# KiCad board SparkFun_BMV080_panelized.kicad_pcb (continued)
## Routing (per net, layer and track width the routed paths; a pad name or vN(x,y) marks a point on that pad's centre or on a via; arc(x,y) is an arc through that point) (continued)
AB1: length 1495.3
  Top w0.203: U1#7.4 83.52,69.44 84.15,68.81 84.15,66.24 84.5,65.88 84.59,65.88 84.9,65.58 87.84,65.58 88.33,65.09 v1(88.33,63.83) ; v1(94.05,49.27) 94.31,49.27 94.73,49.69 96.05,49.69 v1(96.51,49.23) ; v1(22.62,88.83) 22.16,89.29 20.84,89.29 20.42,88.87 v1(20.16,88.87) ; U1#37.4 9.63,109.04 10.26,108.41 10.26,105.84 10.61,105.48 10.7,105.48 11.01,105.18 13.95,105.18 14.44,104.69 v1(14.44,103.43) ; v1(44.79,75.67) 45.05,75.67 45.47,76.09 46.79,76.09 v1(47.25,75.63) ; U1#31.4 9.63,69.44 10.26,68.81 10.26,66.24 10.61,65.88 10.7,65.88 11.01,65.58 13.95,65.58 14.44,65.09 v1(14.44,63.83) ; U1#4.4 83.52,29.84 84.15,29.21 84.15,26.64 84.5,26.28 84.59,26.28 84.9,25.98 87.84,25.98 88.33,25.49 v1(88.33,24.23) ; v1(47.25,62.43) 46.79,62.89 45.47,62.89 45.05,62.47 v1(44.79,62.47) ; U1#6.4 83.52,82.64 84.15,82.01 84.15,79.44 84.5,79.08 84.59,79.08 84.9,78.78 87.84,78.78 88.33,78.29 v1(88.33,77.03) ; v1(137.59,50.63) 137.59,51.89 137.1,52.38 134.16,52.38 133.85,52.68 133.76,52.68 133.41,53.04 133.41,55.61 132.78,56.24 U1#24.4 ; U1#29.4 9.63,43.04 10.26,42.41 10.26,39.84 10.61,39.48 10.7,39.48 11.01,39.18 13.95,39.18 14.44,38.69 v1(14.44,37.43) ; v1(88.33,103.43) 88.33,104.69 87.84,105.18 84.9,105.18 84.59,105.48 84.5,105.48 84.15,105.84 84.15,108.41 83.52,109.04 U1#10.4 ; U1#19.4 108.15,122.24 108.78,121.61 108.78,119.04 109.13,118.68 109.22,118.68 109.53,118.38 112.47,118.38 112.96,117.89 v1(112.96,116.63) ; v1(118.68,36.07) 118.94,36.07 119.36,36.49 120.68,36.49 v1(121.14,36.03) ; v1(112.96,11.03) 112.96,12.29 112.47,12.78 109.53,12.78 109.22,13.08 109.13,13.08 108.78,13.44 108.78,16.01 108.15,16.64 U1#12.4 ; v1(112.96,50.63) 112.96,51.89 112.47,52.38 109.53,52.38 109.22,52.68 109.13,52.68 108.78,53.04 108.78,55.61 108.15,56.24 U1#13.4 ; v1(39.07,116.63) 39.07,117.89 38.58,118.38 35.64,118.38 35.33,118.68 35.24,118.68 34.89,119.04 34.89,121.61 34.26,122.24 U1#51.4 ; U1#28.4 132.78,82.64 133.41,82.01 133.41,79.44 133.76,79.08 133.85,79.08 134.16,78.78 137.1,78.78 137.59,78.29 v1(137.59,77.03) ; v1(14.44,77.03) 14.44,78.29 13.95,78.78 11.01,78.78 10.7,79.08 10.61,79.08 10.26,79.44 10.26,82.01 9.63,82.64 U1#32.4 ; U1#23.4 132.78,43.04 133.41,42.41 133.41,39.84 133.76,39.48 133.85,39.48 134.16,39.18 137.1,39.18 137.59,38.69 v1(137.59,37.43) ; v1(22.62,115.23) 22.16,115.69 20.84,115.69 20.42,115.27 v1(20.16,115.27) ; v1(145.77,102.03) 145.31,102.49 143.99,102.49 143.57,102.07 v1(143.31,102.07) ; v1(137.59,11.03) 137.59,12.29 137.1,12.78 134.16,12.78 133.85,13.08 133.76,13.08 133.41,13.44 133.41,16.01 132.78,16.64 U1#25.4 ; v1(69.42,49.27) 69.68,49.27 70.1,49.69 71.42,49.69 v1(71.88,49.23) ; v1(63.7,63.83) 63.7,65.09 63.21,65.58 60.27,65.58 59.96,65.88 59.87,65.88 59.52,66.24 59.52,68.81 58.89,69.44 58.55,69.44 ; U1#47.4 9.63,122.24 10.26,121.61 10.26,119.04 10.61,118.68 10.7,118.68 11.01,118.38 13.95,118.38 14.44,117.89 v1(14.44,116.63) ; v1(69.42,88.87) 69.68,88.87 70.1,89.29 71.42,89.29 v1(71.88,88.83) ; v1(39.07,63.83) 39.07,65.09 38.58,65.58 35.64,65.58 35.33,65.88 35.24,65.88 34.89,66.24 34.89,68.81 34.26,69.44 U1#48.4 ; v1(121.14,75.63) 120.68,76.09 119.36,76.09 118.94,75.67 v1(118.68,75.67) ; v1(112.96,24.23) 112.96,25.49 112.47,25.98 109.53,25.98 109.22,26.28 109.13,26.28 108.78,26.64 108.78,29.21 108.15,29.84 U1#2.4 ; v1(69.42,36.07) 69.68,36.07 70.1,36.49 71.42,36.49 v1(71.88,36.03) ; U1#35.4 34.26,16.64 34.89,16.01 34.89,13.44 35.24,13.08 35.33,13.08 35.64,12.78 38.58,12.78 39.07,12.29 v1(39.07,11.03) ; 58.55,82.64 58.89,82.64 59.52,82.01 59.52,79.44 59.87,79.08 59.96,79.08 60.27,78.78 63.21,78.78 63.7,78.29 v1(63.7,77.03) ; v1(118.68,102.07) 118.94,102.07 119.36,102.49 120.68,102.49 v1(121.14,102.03) ; v1(121.14,115.23) 120.68,115.69 119.36,115.69 118.94,115.27 v1(118.68,115.27) ; v1(88.33,37.43) 88.33,38.69 87.84,39.18 84.9,39.18 84.59,39.48 84.5,39.48 84.15,39.84 84.15,42.41 83.52,43.04 U1#16.4 ; v1(143.31,22.87) 143.57,22.87 143.99,23.29 145.31,23.29 v1(145.77,22.83) ; v1(44.79,36.07) 45.05,36.07 45.47,36.49 46.79,36.49 v1(47.25,36.03) ; U1#33.4 9.63,95.84 10.26,95.21 10.26,92.64 10.61,92.28 10.7,92.28 11.01,91.98 13.95,91.98 14.44,91.49 v1(14.44,90.23) ; v1(94.05,102.07) 94.31,102.07 94.73,102.49 96.05,102.49 v1(96.51,102.03) ; v1(121.14,62.43) 120.68,62.89 119.36,62.89 118.94,62.47 v1(118.68,62.47) ; 58.55,29.84 58.89,29.84 59.52,29.21 59.52,26.64 59.87,26.28 59.96,26.28 60.27,25.98 63.21,25.98 63.7,25.49 v1(63.7,24.23) ; v1(143.31,88.87) 143.57,88.87 143.99,89.29 145.31,89.29 v1(145.77,88.83) ; 58.55,16.64 58.89,16.64 59.52,16.01 59.52,13.44 59.87,13.08 59.96,13.08 60.27,12.78 63.21,12.78 63.7,12.29 v1(63.7,11.03) ; U1#15.4 108.15,82.64 108.78,82.01 108.78,79.44 109.13,79.08 109.22,79.08 109.53,78.78 112.47,78.78 112.96,78.29 v1(112.96,77.03) ; v1(44.79,88.87) 45.05,88.87 45.47,89.29 46.79,89.29 v1(47.25,88.83) ; v1(14.44,24.23) 14.44,25.49 13.95,25.98 11.01,25.98 10.7,26.28 10.61,26.28 10.26,26.64 10.26,29.21 9.63,29.84 U1#34.4 ; v1(22.62,9.63) 22.16,10.09 20.84,10.09 20.42,9.67 v1(20.16,9.67) ; 58.55,95.84 58.89,95.84 59.52,95.21 59.52,92.64 59.87,92.28 59.96,92.28 60.27,91.98 63.21,91.98 63.7,91.49 v1(63.7,90.23) ; v1(143.31,115.27) 143.57,115.27 143.99,115.69 145.31,115.69 v1(145.77,115.23) ; v1(39.07,50.63) 39.07,51.89 38.58,52.38 35.64,52.38 35.33,52.68 35.24,52.68 34.89,53.04 34.89,55.61 34.26,56.24 U1#44.4 ; v1(22.62,49.23) 22.16,49.69 20.84,49.69 20.42,49.27 v1(20.16,49.27) ; v1(145.77,62.43) 145.31,62.89 143.99,62.89 143.57,62.47 v1(143.31,62.47) ; v1(39.07,77.03) 39.07,78.29 38.58,78.78 35.64,78.78 35.33,79.08 35.24,79.08 34.89,79.44 34.89,82.01 34.26,82.64 U1#49.4 ; v1(20.16,62.47) 20.42,62.47 20.84,62.89 22.16,62.89 v1(22.62,62.43) ; v1(14.44,11.03) 14.44,12.29 13.95,12.78 11.01,12.78 10.7,13.08 10.61,13.08 10.26,13.44 10.26,16.01 9.63,16.64 U1#54.4 ; 58.55,122.24 58.89,122.24 59.52,121.61 59.52,119.04 59.87,118.68 59.96,118.68 60.27,118.38 63.21,118.38 63.7,117.89 v1(63.7,116.63) ; v1(44.79,115.27) 45.05,115.27 45.47,115.69 46.79,115.69 v1(47.25,115.23) ; v1(69.42,62.47) 69.68,62.47 70.1,62.89 71.42,62.89 v1(71.88,62.43) ; v1(63.7,103.43) 63.7,104.69 63.21,105.18 60.27,105.18 59.96,105.48 59.87,105.48 59.52,105.84 59.52,108.41 58.89,109.04 58.55,109.04 ; v1(137.59,90.23) 137.59,91.49 137.1,91.98 134.16,91.98 133.85,92.28 133.76,92.28 133.41,92.64 133.41,95.21 132.78,95.84 U1#27.4 ; v1(118.68,9.67) 118.94,9.67 119.36,10.09 120.68,10.09 v1(121.14,9.63) ; v1(47.25,22.83) 46.79,23.29 45.47,23.29 45.05,22.87 v1(44.79,22.87) ; v1(69.42,115.27) 69.68,115.27 70.1,115.69 71.42,115.69 v1(71.88,115.23) ; U1#46.4 34.26,43.04 34.89,42.41 34.89,39.84 35.24,39.48 35.33,39.48 35.64,39.18 38.58,39.18 39.07,38.69 v1(39.07,37.43) ; v1(44.79,9.67) 45.05,9.67 45.47,10.09 46.79,10.09 v1(47.25,9.63) ; v1(20.16,22.87) 20.42,22.87 20.84,23.29 22.16,23.29 v1(22.62,22.83) ; U1#9.4 83.52,16.64 84.15,16.01 84.15,13.44 84.5,13.08 84.59,13.08 84.9,12.78 87.84,12.78 88.33,12.29 v1(88.33,11.03) ; v1(121.14,88.83) 120.68,89.29 119.36,89.29 118.94,88.87 v1(118.68,88.87) ; v1(112.96,37.43) 112.96,38.69 112.47,39.18 109.53,39.18 109.22,39.48 109.13,39.48 108.78,39.84 108.78,42.41 108.15,43.04 U1#18.4 ; U1#21.4 132.78,109.04 133.41,108.41 133.41,105.84 133.76,105.48 133.85,105.48 134.16,105.18 137.1,105.18 137.59,104.69 v1(137.59,103.43) ; v1(39.07,103.43) 39.07,104.69 38.58,105.18 35.64,105.18 35.33,105.48 35.24,105.48 34.89,105.84 34.89,108.41 34.26,109.04 U1#53.4 ; v1(145.77,75.63) 145.31,76.09 143.99,76.09 143.57,75.67 v1(143.31,75.67) ; v1(47.25,102.03) 46.79,102.49 45.47,102.49 45.05,102.07 v1(44.79,102.07) ; v1(71.88,75.63) 71.42,76.09 70.1,76.09 69.68,75.67 v1(69.42,75.67) ; v1(137.59,116.63) 137.59,117.89 137.1,118.38 134.16,118.38 133.85,118.68 133.76,118.68 133.41,119.04 133.41,121.61 132.78,122.24 U1#20.4 ; U1#14.4 108.15,69.44 108.78,68.81 108.78,66.24 109.13,65.88 109.22,65.88 109.53,65.58 112.47,65.58 112.96,65.09 v1(112.96,63.83) ; v1(71.88,9.63) 71.42,10.09 70.1,10.09 69.68,9.67 v1(69.42,9.67) ; v1(112.96,103.43) 112.96,104.69 112.47,105.18 109.53,105.18 109.22,105.48 109.13,105.48 108.78,105.84 108.78,108.41 108.15,109.04 U1.4 ; U1#36.4 34.26,29.84 34.89,29.21 34.89,26.64 35.24,26.28 35.33,26.28 35.64,25.98 38.58,25.98 39.07,25.49 v1(39.07,24.23) ; U1#17.4 83.52,95.84 84.15,95.21 84.15,92.64 84.5,92.28 84.59,92.28 84.9,91.98 87.84,91.98 88.33,91.49 v1(88.33,90.23) ; v1(71.88,102.03) 71.42,102.49 70.1,102.49 69.68,102.07 v1(69.42,102.07) ; v1(94.05,36.07) 94.31,36.07 94.73,36.49 96.05,36.49 v1(96.51,36.03) ; v1(94.05,88.87) 94.31,88.87 94.73,89.29 96.05,89.29 v1(96.51,88.83) ; 58.55,56.24 58.89,56.24 59.52,55.61 59.52,53.04 59.87,52.68 59.96,52.68 60.27,52.38 63.21,52.38 63.7,51.89 v1(63.7,50.63) ; v1(94.05,9.67) 94.31,9.67 94.73,10.09 96.05,10.09 v1(96.51,9.63) ; v1(94.05,115.27) 94.31,115.27 94.73,115.69 96.05,115.69 v1(96.51,115.23) ; v1(137.59,24.23) 137.59,25.49 137.1,25.98 134.16,25.98 133.85,26.28 133.76,26.28 133.41,26.64 133.41,29.21 132.78,29.84 U1#26.4 ; v1(96.51,22.83) 96.05,23.29 94.73,23.29 94.31,22.87 v1(94.05,22.87) ; v1(137.59,63.83) 137.59,65.09 137.1,65.58 134.16,65.58 133.85,65.88 133.76,65.88 133.41,66.24 133.41,68.81 132.78,69.44 U1#22.4 ; v1(22.62,36.03) 22.16,36.49 20.84,36.49 20.42,36.07 v1(20.16,36.07) ; v1(118.68,49.27) 118.94,49.27 119.36,49.69 120.68,49.69 v1(121.14,49.23) ; v1(39.07,90.23) 39.07,91.49 38.58,91.98 35.64,91.98 35.33,92.28 35.24,92.28 34.89,92.64 34.89,95.21 34.26,95.84 U1#50.4 ; v1(143.31,49.27) 143.57,49.27 143.99,49.69 145.31,49.69 v1(145.77,49.23) ; U1#5.4 83.52,56.24 84.15,55.61 84.15,53.04 84.5,52.68 84.59,52.68 84.9,52.38 87.84,52.38 88.33,51.89 v1(88.33,50.63) ; v1(143.31,9.67) 143.57,9.67 143.99,10.09 145.31,10.09 v1(145.77,9.63) ; v1(20.16,102.07) 20.42,102.07 20.84,102.49 22.16,102.49 v1(22.62,102.03) ; v1(22.62,75.63) 22.16,76.09 20.84,76.09 20.42,75.67 v1(20.16,75.67) ; v1(47.25,49.23) 46.79,49.69 45.47,49.69 45.05,49.27 v1(44.79,49.27) ; v1(71.88,22.83) 71.42,23.29 70.1,23.29 69.68,22.87 v1(69.42,22.87) ; v1(96.51,75.63) 96.05,76.09 94.73,76.09 94.31,75.67 v1(94.05,75.67) ; v1(63.7,37.43) 63.7,38.69 63.21,39.18 60.27,39.18 59.96,39.48 59.87,39.48 59.52,39.84 59.52,42.41 58.89,43.04 58.55,43.04 ; U1#30.4 9.63,56.24 10.26,55.61 10.26,53.04 10.61,52.68 10.7,52.68 11.01,52.38 13.95,52.38 14.44,51.89 v1(14.44,50.63) ; U1#11.4 83.52,122.24 84.15,121.61 84.15,119.04 84.5,118.68 84.59,118.68 84.9,118.38 87.84,118.38 88.33,117.89 v1(88.33,116.63) ; v1(96.51,62.43) 96.05,62.89 94.73,62.89 94.31,62.47 v1(94.05,62.47) ; v1(118.68,22.87) 118.94,22.87 119.36,23.29 120.68,23.29 v1(121.14,22.83) ; v1(112.96,90.23) 112.96,91.49 112.47,91.98 109.53,91.98 109.22,92.28 109.13,92.28 108.78,92.64 108.78,95.21 108.15,95.84 U1#3.4 ; v1(145.77,36.03) 145.31,36.49 143.99,36.49 143.57,36.07 v1(143.31,36.07)
  Bottom w0.203: JP3#11.2 77.73,10.69 J2#21.7 74.49,10.06 72.31,10.06 v1(71.88,9.63) ; v1(145.77,36.03) 146.2,36.46 148.38,36.46 J2#41.7 151.62,37.09 JP3#45.2 ; v1(44.79,102.07) 44.68,102.07 43.41,103.34 40.09,103.34 40.06,103.37 39.14,103.37 v1(39.07,103.43) ; JP3#42.2 102.36,116.29 J2#36.7 99.12,115.66 96.94,115.66 v1(96.51,115.23) ; v1(94.05,49.27) 93.94,49.27 92.67,50.54 89.35,50.54 89.32,50.57 88.4,50.57 v1(88.33,50.63) ; v1(112.96,116.63) 113.03,116.57 113.95,116.57 113.98,116.54 117.3,116.54 118.57,115.27 v1(118.68,115.27) ; v1(14.44,116.63) 14.51,116.57 15.43,116.57 15.46,116.54 18.78,116.54 20.05,115.27 v1(20.16,115.27) ; v1(20.16,22.87) 20.05,22.87 18.78,24.14 15.46,24.14 15.43,24.17 14.51,24.17 v1(14.44,24.23) ; v1(20.16,62.47) 20.05,62.47 18.78,63.74 15.46,63.74 15.43,63.77 14.51,63.77 v1(14.44,63.83) ; v1(121.14,22.83) 121.57,23.26 123.75,23.26 125.05,21.95 126.99,23.89 JP3#40.2 ; JP3#25.2 53.1,37.09 J2#3.7 49.86,36.46 47.68,36.46 v1(47.25,36.03) ; v1(71.88,36.03) 72.31,36.46 74.49,36.46 J2#33.7 77.73,37.09 JP3#20.2 ; v1(112.96,11.03) 113.03,10.97 113.95,10.97 113.98,10.94 117.3,10.94 118.57,9.67 v1(118.68,9.67) ; v1(112.96,63.83) 113.03,63.77 113.95,63.77 113.98,63.74 117.3,63.74 118.57,62.47 v1(118.68,62.47) ; v1(20.16,102.07) 20.05,102.07 18.78,103.34 15.46,103.34 15.43,103.37 14.51,103.37 v1(14.44,103.43) ; v1(137.59,77.03) 137.66,76.97 138.58,76.97 138.61,76.94 141.93,76.94 143.2,75.67 v1(143.31,75.67) ; JP3#18.2 53.1,76.69 J2#5.7 49.86,76.06 47.68,76.06 v1(47.25,75.63) ; v1(96.51,75.63) 96.94,76.06 99.12,76.06 J2#29.7 102.36,76.69 JP3#16.2 ; v1(88.33,24.23) 88.4,24.17 89.32,24.17 89.35,24.14 92.67,24.14 93.94,22.87 v1(94.05,22.87) ; JP3#53.2 151.62,10.69 J2#39.7 148.38,10.06 146.2,10.06 v1(145.77,9.63) ; v1(39.07,77.03) 39.14,76.97 40.06,76.97 40.09,76.94 43.41,76.94 44.68,75.67 v1(44.79,75.67) ; v1(96.51,36.03) 96.94,36.46 99.12,36.46 J2#32.7 102.36,37.09 JP3#33.2 ; v1(63.7,24.23) 63.77,24.17 64.69,24.17 64.72,24.14 68.04,24.14 69.31,22.87 v1(69.42,22.87) ; v1(88.33,77.03) 88.4,76.97 89.32,76.97 89.35,76.94 92.67,76.94 93.94,75.67 v1(94.05,75.67) ; v1(96.51,88.83) 96.94,89.26 99.12,89.26 J2#34.7 102.36,89.89 JP3#34.2 ; v1(14.44,50.63) 14.51,50.57 15.43,50.57 15.46,50.54 18.78,50.54 20.05,49.27 v1(20.16,49.27) ; v1(118.68,22.87) 118.57,22.87 117.3,24.14 113.98,24.14 113.95,24.17 113.03,24.17 v1(112.96,24.23) ; JP3#17.2 53.1,10.69 J2#2.7 49.86,10.06 47.68,10.06 v1(47.25,9.63) ; v1(94.05,115.27) 93.94,115.27 92.67,116.54 89.35,116.54 89.32,116.57 88.4,116.57 v1(88.33,116.63) ; JP3#46.2 151.62,50.29 J2#47.7 148.38,49.66 146.2,49.66 v1(145.77,49.23) ; JP3#39.2 126.99,10.69 125.05,8.75 123.75,10.06 121.57,10.06 v1(121.14,9.63) ; v1(69.42,88.87) 69.31,88.87 68.04,90.14 64.72,90.14 64.69,90.17 63.77,90.17 v1(63.7,90.23) ; v1(39.07,50.63) 39.14,50.57 40.06,50.57 40.09,50.54 43.41,50.54 44.68,49.27 v1(44.79,49.27) ; v1(63.7,77.03) 63.77,76.97 64.69,76.97 64.72,76.94 68.04,76.94 69.31,75.67 v1(69.42,75.67) ; JP3#5.2 28.47,76.69 J2#6.7 25.23,76.06 23.05,76.06 v1(22.62,75.63) ; v1(88.33,37.43) 88.4,37.37 89.32,37.37 89.35,37.34 92.67,37.34 93.94,36.07 v1(94.05,36.07) ; JP3#26.2 53.1,103.09 J2#19.7 49.86,102.46 47.68,102.46 v1(47.25,102.03) ; JP3#32.2 102.36,50.29 J2#28.7 99.12,49.66 96.94,49.66 v1(96.51,49.23) ; v1(63.7,103.43) 63.77,103.37 64.69,103.37 64.72,103.34 68.04,103.34 69.31,102.07 v1(69.42,102.07) ; v1(22.62,88.83) 23.05,89.26 25.23,89.26 J2#9.7 28.47,89.89 JP3#2.2 ; v1(69.42,9.67) 69.31,9.67 68.04,10.94 64.72,10.94 64.69,10.97 63.77,10.97 v1(63.7,11.03) ; v1(44.79,22.87) 44.68,22.87 43.41,24.14 40.09,24.14 40.06,24.17 39.14,24.17 v1(39.07,24.23) ; JP3#35.2 102.36,103.09 J2#35.7 99.12,102.46 96.94,102.46 v1(96.51,102.03) ; v1(14.44,90.23) 14.51,90.17 15.43,90.17 15.46,90.14 18.78,90.14 20.05,88.87 v1(20.16,88.87) ; v1(143.31,62.47) 143.2,62.47 141.93,63.74 138.61,63.74 138.58,63.77 137.66,63.77 v1(137.59,63.83) ; JP3#38.2 126.99,63.49 125.05,61.55 123.75,62.86 121.57,62.86 v1(121.14,62.43) ; v1(71.88,49.23) 72.31,49.66 74.49,49.66 J2#16.7 77.73,50.29 JP3#15.2 ; JP3#49.2 126.99,89.89 125.05,87.95 123.75,89.26 121.57,89.26 v1(121.14,88.83) ; JP3#6.2 28.47,63.49 J2#4.7 25.23,62.86 23.05,62.86 v1(22.62,62.43) ; v1(121.14,49.23) 121.57,49.66 123.75,49.66 125.05,48.35 126.99,50.29 JP3#37.2 ; JP3#41.2 126.99,76.69 125.05,74.75 123.75,76.06 121.57,76.06 v1(121.14,75.63) ; v1(88.33,103.43) 88.4,103.37 89.32,103.37 89.35,103.34 92.67,103.34 93.94,102.07 v1(94.05,102.07) ; JP3#44.2 126.99,103.09 125.05,101.16 123.75,102.46 121.57,102.46 v1(121.14,102.03) ; v1(63.7,50.63) 63.77,50.57 64.69,50.57 64.72,50.54 68.04,50.54 69.31,49.27 v1(69.42,49.27) ; v1(145.77,75.63) 146.2,76.06 148.38,76.06 J2#48.7 151.62,76.69 JP3#47.2 ; JP3#8.2 28.47,50.29 J2#10.7 25.23,49.66 23.05,49.66 v1(22.62,49.23) ; v1(145.77,115.23) 146.2,115.66 148.38,115.66 J2#53.7 151.62,116.29 JP3#43.2 ; JP3#36.2 126.99,37.09 125.05,35.16 123.75,36.46 121.57,36.46 v1(121.14,36.03) ; JP3#29.2 102.36,10.69 J2#25.7 99.12,10.06 96.94,10.06 v1(96.51,9.63) ; JP3#7.2 28.47,37.09 J2#7.7 25.23,36.46 23.05,36.46 v1(22.62,36.03) ; v1(118.68,36.07) 118.57,36.07 117.3,37.34 113.98,37.34 113.95,37.37 113.03,37.37 v1(112.96,37.43) ; v1(63.7,63.83) 63.77,63.77 64.69,63.77 64.72,63.74 68.04,63.74 69.31,62.47 v1(69.42,62.47) ; v1(39.07,11.03) 39.14,10.97 40.06,10.97 40.09,10.94 43.41,10.94 44.68,9.67 v1(44.79,9.67) ; v1(20.16,75.67) 20.05,75.67 18.78,76.94 15.46,76.94 15.43,76.97 14.51,76.97 v1(14.44,77.03) ; v1(63.7,116.63) 63.77,116.57 64.69,116.57 64.72,116.54 68.04,116.54 69.31,115.27 v1(69.42,115.27) ; JP3#54.2 126.99,116.29 125.05,114.36 123.75,115.66 121.57,115.66 v1(121.14,115.23) ; v1(143.31,102.07) 143.2,102.07 141.93,103.34 138.61,103.34 138.58,103.37 137.66,103.37 v1(137.59,103.43) ; v1(94.05,88.87) 93.94,88.87 92.67,90.14 89.35,90.14 89.32,90.17 88.4,90.17 v1(88.33,90.23) ; JP3#24.2 77.73,89.89 J2#26.7 74.49,89.26 72.31,89.26 v1(71.88,88.83) ; v1(22.62,9.63) 23.05,10.06 25.23,10.06 J2.7 28.47,10.69 JP3.2 ; v1(145.77,102.03) 146.2,102.46 148.38,102.46 J2#51.7 151.62,103.09 JP3#52.2 ; v1(118.68,102.07) 118.57,102.07 117.3,103.34 113.98,103.34 113.95,103.37 113.03,103.37 v1(112.96,103.43) ; JP3#12.2 53.1,23.89 J2#13.7 49.86,23.26 47.68,23.26 v1(47.25,22.83) ; v1(22.62,102.03) 23.05,102.46 25.23,102.46 J2#11.7 28.47,103.09 JP3#9.2 ; v1(137.59,24.23) 137.66,24.17 138.58,24.17 138.61,24.14 141.93,24.14 143.2,22.87 v1(143.31,22.87) ; v1(96.51,62.43) 96.94,62.86 99.12,62.86 J2#17.7 102.36,63.49 JP3#30.2 ; v1(44.79,115.27) 44.68,115.27 43.41,116.54 40.09,116.54 40.06,116.57 39.14,116.57 v1(39.07,116.63) ; v1(44.79,62.47) 44.68,62.47 43.41,63.74 40.09,63.74 40.06,63.77 39.14,63.77 v1(39.07,63.83) ; v1(71.88,75.63) 72.31,76.06 74.49,76.06 J2#22.7 77.73,76.69 JP3#27.2 ; v1(143.31,88.87) 143.2,88.87 141.93,90.14 138.61,90.14 138.58,90.17 137.66,90.17 v1(137.59,90.23) ; v1(20.16,9.67) 20.05,9.67 18.78,10.94 15.46,10.94 15.43,10.97 14.51,10.97 v1(14.44,11.03) ; v1(96.51,22.83) 96.94,23.26 99.12,23.26 J2#27.7 102.36,23.89 JP3#31.2 ; v1(71.88,102.03) 72.31,102.46 74.49,102.46 J2#24.7 77.73,103.09 JP3#10.2 ; v1(137.59,37.43) 137.66,37.37 138.58,37.37 138.61,37.34 141.93,37.34 143.2,36.07 v1(143.31,36.07) ; JP3#13.2 53.1,50.29 J2#14.7 49.86,49.66 47.68,49.66 v1(47.25,49.23) ; v1(47.25,62.43) 47.68,62.86 49.86,62.86 J2#15.7 53.1,63.49 JP3#22.2 ; v1(22.62,22.83) 23.05,23.26 25.23,23.26 J2#8.7 28.47,23.89 JP3#4.2 ; JP3#48.2 151.62,89.89 J2#49.7 148.38,89.26 146.2,89.26 v1(145.77,88.83) ; v1(44.79,36.07) 44.68,36.07 43.41,37.34 40.09,37.34 40.06,37.37 39.14,37.37 v1(39.07,37.43) ; v1(71.88,115.23) 72.31,115.66 74.49,115.66 J2#31.7 77.73,116.29 JP3#28.2 ; v1(112.96,50.63) 113.03,50.57 113.95,50.57 113.98,50.54 117.3,50.54 118.57,49.27 v1(118.68,49.27) ; v1(143.31,9.67) 143.2,9.67 141.93,10.94 138.61,10.94 138.58,10.97 137.66,10.97 v1(137.59,11.03) ; v1(47.25,115.23) 47.68,115.66 49.86,115.66 J2#20.7 53.1,116.29 JP3#19.2 ; v1(137.59,116.63) 137.66,116.57 138.58,116.57 138.61,116.54 141.93,116.54 143.2,115.27 v1(143.31,115.27) ; v1(94.05,9.67) 93.94,9.67 92.67,10.94 89.35,10.94 89.32,10.97 88.4,10.97 v1(88.33,11.03) ; JP3#51.2 151.62,63.49 J2#37.7 148.38,62.86 146.2,62.86 v1(145.77,62.43) ; v1(63.7,37.43) 63.77,37.37 64.69,37.37 64.72,37.34 68.04,37.34 69.31,36.07 v1(69.42,36.07) ; v1(71.88,62.43) 72.31,62.86 74.49,62.86 J2#30.7 77.73,63.49 JP3#23.2 ; JP3#50.2 151.62,23.89 J2#46.7 148.38,23.26 146.2,23.26 v1(145.77,22.83) ; v1(143.31,49.27) 143.2,49.27 141.93,50.54 138.61,50.54 138.58,50.57 137.66,50.57 v1(137.59,50.63) ; v1(88.33,63.83) 88.4,63.77 89.32,63.77 89.35,63.74 92.67,63.74 93.94,62.47 v1(94.05,62.47) ; v1(47.25,88.83) 47.68,89.26 49.86,89.26 J2#23.7 53.1,89.89 JP3#21.2 ; v1(44.79,88.87) 44.68,88.87 43.41,90.14 40.09,90.14 40.06,90.17 39.14,90.17 v1(39.07,90.23) ; v1(112.96,90.23) 113.03,90.17 113.95,90.17 113.98,90.14 117.3,90.14 118.57,88.87 v1(118.68,88.87) ; v1(71.88,22.83) 72.31,23.26 74.49,23.26 J2#18.7 77.73,23.89 JP3#14.2 ; JP3#3.2 28.47,116.29 J2#12.7 25.23,115.66 23.05,115.66 v1(22.62,115.23) ; v1(112.96,77.03) 113.03,76.97 113.95,76.97 113.98,76.94 117.3,76.94 118.57,75.67 v1(118.68,75.67) ; v1(14.44,37.43) 14.51,37.37 15.43,37.37 15.46,37.34 18.78,37.34 20.05,36.07 v1(20.16,36.07)
IRQ: length 362.6
  Top w0.203: v1(8.81,78.13) 8.81,79.26 9.3,79.75 U1#32.12 ; U1#22.12 132.44,66.55 131.96,66.06 v1(131.96,64.93) ; v1(33.44,51.73) 33.44,52.86 33.92,53.34 U1#44.12 ; v1(131.96,104.53) 131.96,105.66 132.44,106.14 U1#21.12 ; U1#34.12 9.3,26.94 8.81,26.46 v1(8.81,25.33) ; v1(33.44,64.93) 33.44,66.06 33.92,66.55 U1#48.12 ; U1#33.12 9.3,92.94 8.81,92.46 v1(8.81,91.33) ; U1#17.12 83.19,92.94 82.7,92.46 v1(82.7,91.33) ; 58.55,40.64 58.55,40.14 58.07,39.66 v1(58.07,38.53) ; U1#15.12 107.82,79.75 107.33,79.26 v1(107.33,78.13) ; v1(82.7,25.33) 82.7,26.46 83.19,26.94 U1#4.12 ; v1(131.96,12.13) 131.96,13.26 132.44,13.75 U1#25.12 ; U1#20.12 132.44,119.34 131.96,118.86 v1(131.96,117.73) ; U1#12.12 107.82,13.75 107.33,13.26 v1(107.33,12.13) ; U1#46.12 33.92,40.14 33.44,39.66 v1(33.44,38.53) ; v1(33.44,91.33) 33.44,92.46 33.92,92.94 U1#50.12 ; v1(8.81,64.93) 8.81,66.06 9.3,66.55 U1#31.12 ; v1(33.44,25.33) 33.44,26.46 33.92,26.94 U1#36.12 ; v1(107.33,25.33) 107.33,26.46 107.82,26.94 U1#2.12 ; 58.55,80.24 58.55,79.75 58.07,79.26 v1(58.07,78.13) ; v1(82.7,51.73) 82.7,52.86 83.19,53.34 U1#5.12 ; U1#14.12 107.82,66.55 107.33,66.06 v1(107.33,64.93) ; U1#6.12 83.19,79.75 82.7,79.26 v1(82.7,78.13) ; v1(131.96,38.53) 131.96,39.66 132.44,40.14 U1#23.12 ; U1#3.12 107.82,92.94 107.33,92.46 v1(107.33,91.33) ; U1#16.12 83.19,40.14 82.7,39.66 v1(82.7,38.53) ; v1(8.81,117.73) 8.81,118.86 9.3,119.34 U1#47.12 ; v1(82.7,117.73) 82.7,118.86 83.19,119.34 U1#11.12 ; v1(107.33,117.73) 107.33,118.86 107.82,119.34 U1#19.12 ; v1(131.96,91.33) 131.96,92.46 132.44,92.94 U1#27.12 ; U1#35.12 33.92,13.75 33.44,13.26 v1(33.44,12.13) ; v1(131.96,25.33) 131.96,26.46 132.44,26.94 U1#26.12 ; v1(58.07,51.73) 58.07,52.86 58.55,53.34 58.55,53.84 ; v1(58.07,12.13) 58.07,13.26 58.55,13.75 58.55,14.24 ; U1#10.12 83.19,106.14 82.7,105.66 v1(82.7,104.53) ; U1#7.12 83.19,66.55 82.7,66.06 v1(82.7,64.93) ; U1#49.12 33.92,79.75 33.44,79.26 v1(33.44,78.13) ; U1.12 107.82,106.14 107.33,105.66 v1(107.33,104.53) ; U1#13.12 107.82,53.34 107.33,52.86 v1(107.33,51.73) ; v1(58.07,104.53) 58.07,105.66 58.55,106.14 58.55,106.64 ; v1(82.7,12.13) 82.7,13.26 83.19,13.75 U1#9.12 ; U1#30.12 9.3,53.34 8.81,52.86 v1(8.81,51.73) ; U1#24.12 132.44,53.34 131.96,52.86 v1(131.96,51.73) ; U1#28.12 132.44,79.75 131.96,79.26 v1(131.96,78.13) ; v1(8.81,12.13) 8.81,13.26 9.3,13.75 U1#54.12 ; v1(58.07,64.93) 58.07,66.06 58.55,66.55 58.55,67.04 ; 58.55,119.84 58.55,119.34 58.07,118.86 v1(58.07,117.73) ; U1#53.12 33.92,106.14 33.44,105.66 v1(33.44,104.53) ; v1(33.44,117.73) 33.44,118.86 33.92,119.34 U1#51.12 ; U1#18.12 107.82,40.14 107.33,39.66 v1(107.33,38.53) ; v1(58.07,91.33) 58.07,92.46 58.55,92.94 58.55,93.44 ; v1(8.81,38.53) 8.81,39.66 9.3,40.14 U1#29.12 ; v1(8.81,104.53) 8.81,105.66 9.3,106.14 U1#37.12 ; v1(58.07,25.33) 58.07,26.46 58.55,26.94 58.55,27.44
  Bottom w0.203: J2#9.1 11.3,88.73 8.81,91.21 v1(8.81,91.33) ; J2#7.1 11.3,35.93 8.81,38.41 v1(8.81,38.53) ; J2#4.1 11.3,62.33 8.81,64.81 v1(8.81,64.93) ; v1(58.07,38.53) 58.07,38.41 60.55,35.93 J2#33.1 ; v1(131.96,91.33) 131.96,91.21 134.44,88.73 J2#49.1 ; J2#37.1 134.44,62.33 131.96,64.81 v1(131.96,64.93) ; v1(131.96,25.33) 131.96,25.21 134.44,22.73 J2#46.1 ; v1(131.96,117.73) 131.96,117.61 134.44,115.13 J2#53.1 ; J2#2.1 35.92,9.53 33.44,12.01 v1(33.44,12.13) ; J2#8.1 11.3,22.73 8.81,25.21 v1(8.81,25.33) ; v1(58.07,64.93) 58.07,64.81 60.55,62.33 J2#30.1 ; J2#42.1 109.82,22.73 107.33,25.21 v1(107.33,25.33) ; J2#3.1 35.92,35.93 33.44,38.41 v1(33.44,38.53) ; J2#44.1 109.82,88.73 107.33,91.21 v1(107.33,91.33) ; J2#26.1 60.55,88.73 58.07,91.21 v1(58.07,91.33) ; v1(82.7,91.33) 82.7,91.21 85.19,88.73 J2#34.1 ; J2#41.1 134.44,35.93 131.96,38.41 v1(131.96,38.53) ; J2#12.1 11.3,115.13 8.81,117.61 v1(8.81,117.73) ; v1(58.07,104.53) 58.07,104.41 60.55,101.93 J2#24.1 ; v1(33.44,64.93) 33.44,64.81 35.92,62.33 J2#15.1 ; v1(58.07,117.73) 58.07,117.61 60.55,115.13 J2#31.1 ; J2#38.1 109.82,49.13 107.33,51.61 v1(107.33,51.73) ; v1(8.81,78.13) 8.81,78.01 11.3,75.53 J2#6.1 ; v1(33.44,25.33) 33.44,25.21 35.92,22.73 J2#13.1 ; J2#32.1 85.19,35.93 82.7,38.41 v1(82.7,38.53) ; J2#48.1 134.44,75.53 131.96,78.01 v1(131.96,78.13) ; J2#43.1 109.82,75.53 107.33,78.01 v1(107.33,78.13) ; J2#45.1 109.82,115.13 107.33,117.61 v1(107.33,117.73) ; J2#17.1 85.19,62.33 82.7,64.81 v1(82.7,64.93) ; J2#27.1 85.19,22.73 82.7,25.21 v1(82.7,25.33) ; v1(58.07,78.13) 58.07,78.01 60.55,75.53 J2#22.1 ; J2#52.1 109.82,101.93 107.33,104.41 v1(107.33,104.53) ; v1(33.44,117.73) 33.44,117.61 35.92,115.13 J2#20.1 ; J2#39.1 134.44,9.53 131.96,12.01 v1(131.96,12.13) ; J2#18.1 60.55,22.73 58.07,25.21 v1(58.07,25.33) ; J2#47.1 134.44,49.13 131.96,51.61 v1(131.96,51.73) ; J2#29.1 85.19,75.53 82.7,78.01 v1(82.7,78.13) ; J2#23.1 35.92,88.73 33.44,91.21 v1(33.44,91.33) ; J2#36.1 85.19,115.13 82.7,117.61 v1(82.7,117.73) ; v1(58.07,51.73) 58.07,51.61 60.55,49.13 J2#16.1 ; J2#11.1 11.3,101.93 8.81,104.41 v1(8.81,104.53) ; J2#21.1 60.55,9.53 58.07,12.01 v1(58.07,12.13) ; v1(82.7,51.73) 82.7,51.61 85.19,49.13 J2#28.1 ; v1(107.33,64.93) 107.33,64.81 109.82,62.33 J2#50.1 ; v1(107.33,38.53) 107.33,38.41 109.82,35.93 J2#40.1 ; v1(82.7,104.53) 82.7,104.41 85.19,101.93 J2#35.1 ; J2#51.1 134.44,101.93 131.96,104.41 v1(131.96,104.53) ; J2#14.1 35.92,49.13 33.44,51.61 v1(33.44,51.73) ; J2#25.1 85.19,9.53 82.7,12.01 v1(82.7,12.13) ; J2#19.1 35.92,101.93 33.44,104.41 v1(33.44,104.53) ; J2#10.1 11.3,49.13 8.81,51.61 v1(8.81,51.73) ; J2#54.1 109.82,9.53 107.33,12.01 v1(107.33,12.13) ; J2.1 11.3,9.53 8.81,12.01 v1(8.81,12.13) ; J2#5.1 35.92,75.53 33.44,78.01 v1(33.44,78.13)
SCL: length 1033.7
  Top w0.2: J2#22.3 65.64,75.23 66.9,76.5 R3#22.1 ; J2#29.3 90.27,75.23 91.53,76.5 R3#24.1 ; R3#10.1 17.64,102.9 16.38,101.63 J2#11.3 ; J2#27.3 90.27,22.44 91.53,23.7 R3#16.1 ; R3#8.1 17.64,89.7 16.38,88.44 J2#9.3 ; J2#28.3 90.27,48.84 91.53,50.1 R3#19.1 ; J2#30.3 65.64,62.03 66.9,63.3 R3#27.1 ; R3#45.1 116.16,116.1 114.89,114.83 114.89,114.36 ; J2#35.3 90.27,101.63 91.53,102.9 R3#35.1 ; R3#25.1 66.9,23.7 65.64,22.44 J2#18.3 ; 114.89,61.55 114.89,62.03 116.16,63.3 R3#42.1 ; J2#13.3 41.01,22.44 42.27,23.7 R3.1 ; J2#49.3 139.52,88.44 140.79,89.7 R3#48.1 ; R3#30.1 42.27,102.9 41.01,101.63 J2#19.3 ; R3#7.1 17.64,23.7 16.38,22.44 J2#8.3 ; J2#25.3 90.27,9.23 91.53,10.5 R3#33.1 ; R3#38.1 116.16,102.9 114.89,101.63 114.89,101.16 ; 114.89,21.95 114.89,22.44 116.16,23.7 R3#40.1 ; R3#51.1 140.79,63.3 139.52,62.03 J2#37.3 ; J2#14.3 41.01,48.84 42.27,50.1 R3#9.1 ; R3#11.1 17.64,63.3 16.38,62.03 J2#4.3 ; J2.3 16.38,9.23 17.64,10.5 R3#54.1 ; J2#12.3 16.38,114.83 17.64,116.1 R3#12.1 ; 114.89,87.95 114.89,88.44 116.16,89.7 R3#41.1 ; R3#43.1 116.16,50.1 114.89,48.84 114.89,48.35 ; R3#47.1 140.79,50.1 139.52,48.84 J2#47.3 ; 114.89,74.75 114.89,75.23 116.16,76.5 R3#44.1 ; J2#20.3 41.01,114.83 42.27,116.1 R3#31.1 ; J2#15.3 41.01,62.03 42.27,63.3 R3#5.1 ; J2#41.3 139.52,35.64 140.79,36.9 R3#36.1 ; R3#49.1 116.16,10.5 114.89,9.23 114.89,8.75 ; J2#36.3 90.27,114.83 91.53,116.1 R3#18.1 ; R3#34.1 91.53,36.9 90.27,35.64 J2#32.3 ; R3#3.1 17.64,76.5 16.38,75.23 J2#6.3 ; R3#52.1 140.79,102.9 139.52,101.63 J2#51.3 ; J2#17.3 90.27,62.03 91.53,63.3 R3#23.1 ; J2#3.3 41.01,35.64 42.27,36.9 R3#2.1 ; R3#6.1 42.27,10.5 41.01,9.23 J2#2.3 ; R3#26.1 66.9,36.9 65.64,35.64 J2#33.3 ; R3#46.1 140.79,23.7 139.52,22.44 J2#46.3 ; R3#50.1 116.16,36.9 114.89,35.64 114.89,35.16 ; J2#53.3 139.52,114.83 140.79,116.1 R3#53.1 ; J2#31.3 65.64,114.83 66.9,116.1 R3#32.1 ; R3#37.1 140.79,76.5 139.52,75.23 J2#48.3 ; R3#4.1 17.64,50.1 16.38,48.84 J2#10.3 ; R3#28.1 42.27,76.5 41.01,75.23 J2#5.3 ; R3#29.1 42.27,89.7 41.01,88.44 J2#23.3 ; J2#24.3 65.64,101.63 66.9,102.9 R3#15.1 ; J2#21.3 65.64,9.23 66.9,10.5 R3#20.1 ; R3#13.1 17.64,36.9 16.38,35.64 J2#7.3 ; R3#14.1 66.9,89.7 65.64,88.44 J2#26.3 ; J2#39.3 139.52,9.23 140.79,10.5 R3#39.1 ; J2#16.3 65.64,48.84 66.9,50.1 R3#21.1 ; R3#17.1 91.53,89.7 90.27,88.44 J2#34.3